# Altium PCB PCB1.PcbDoc (part 1 of 3) (continued)
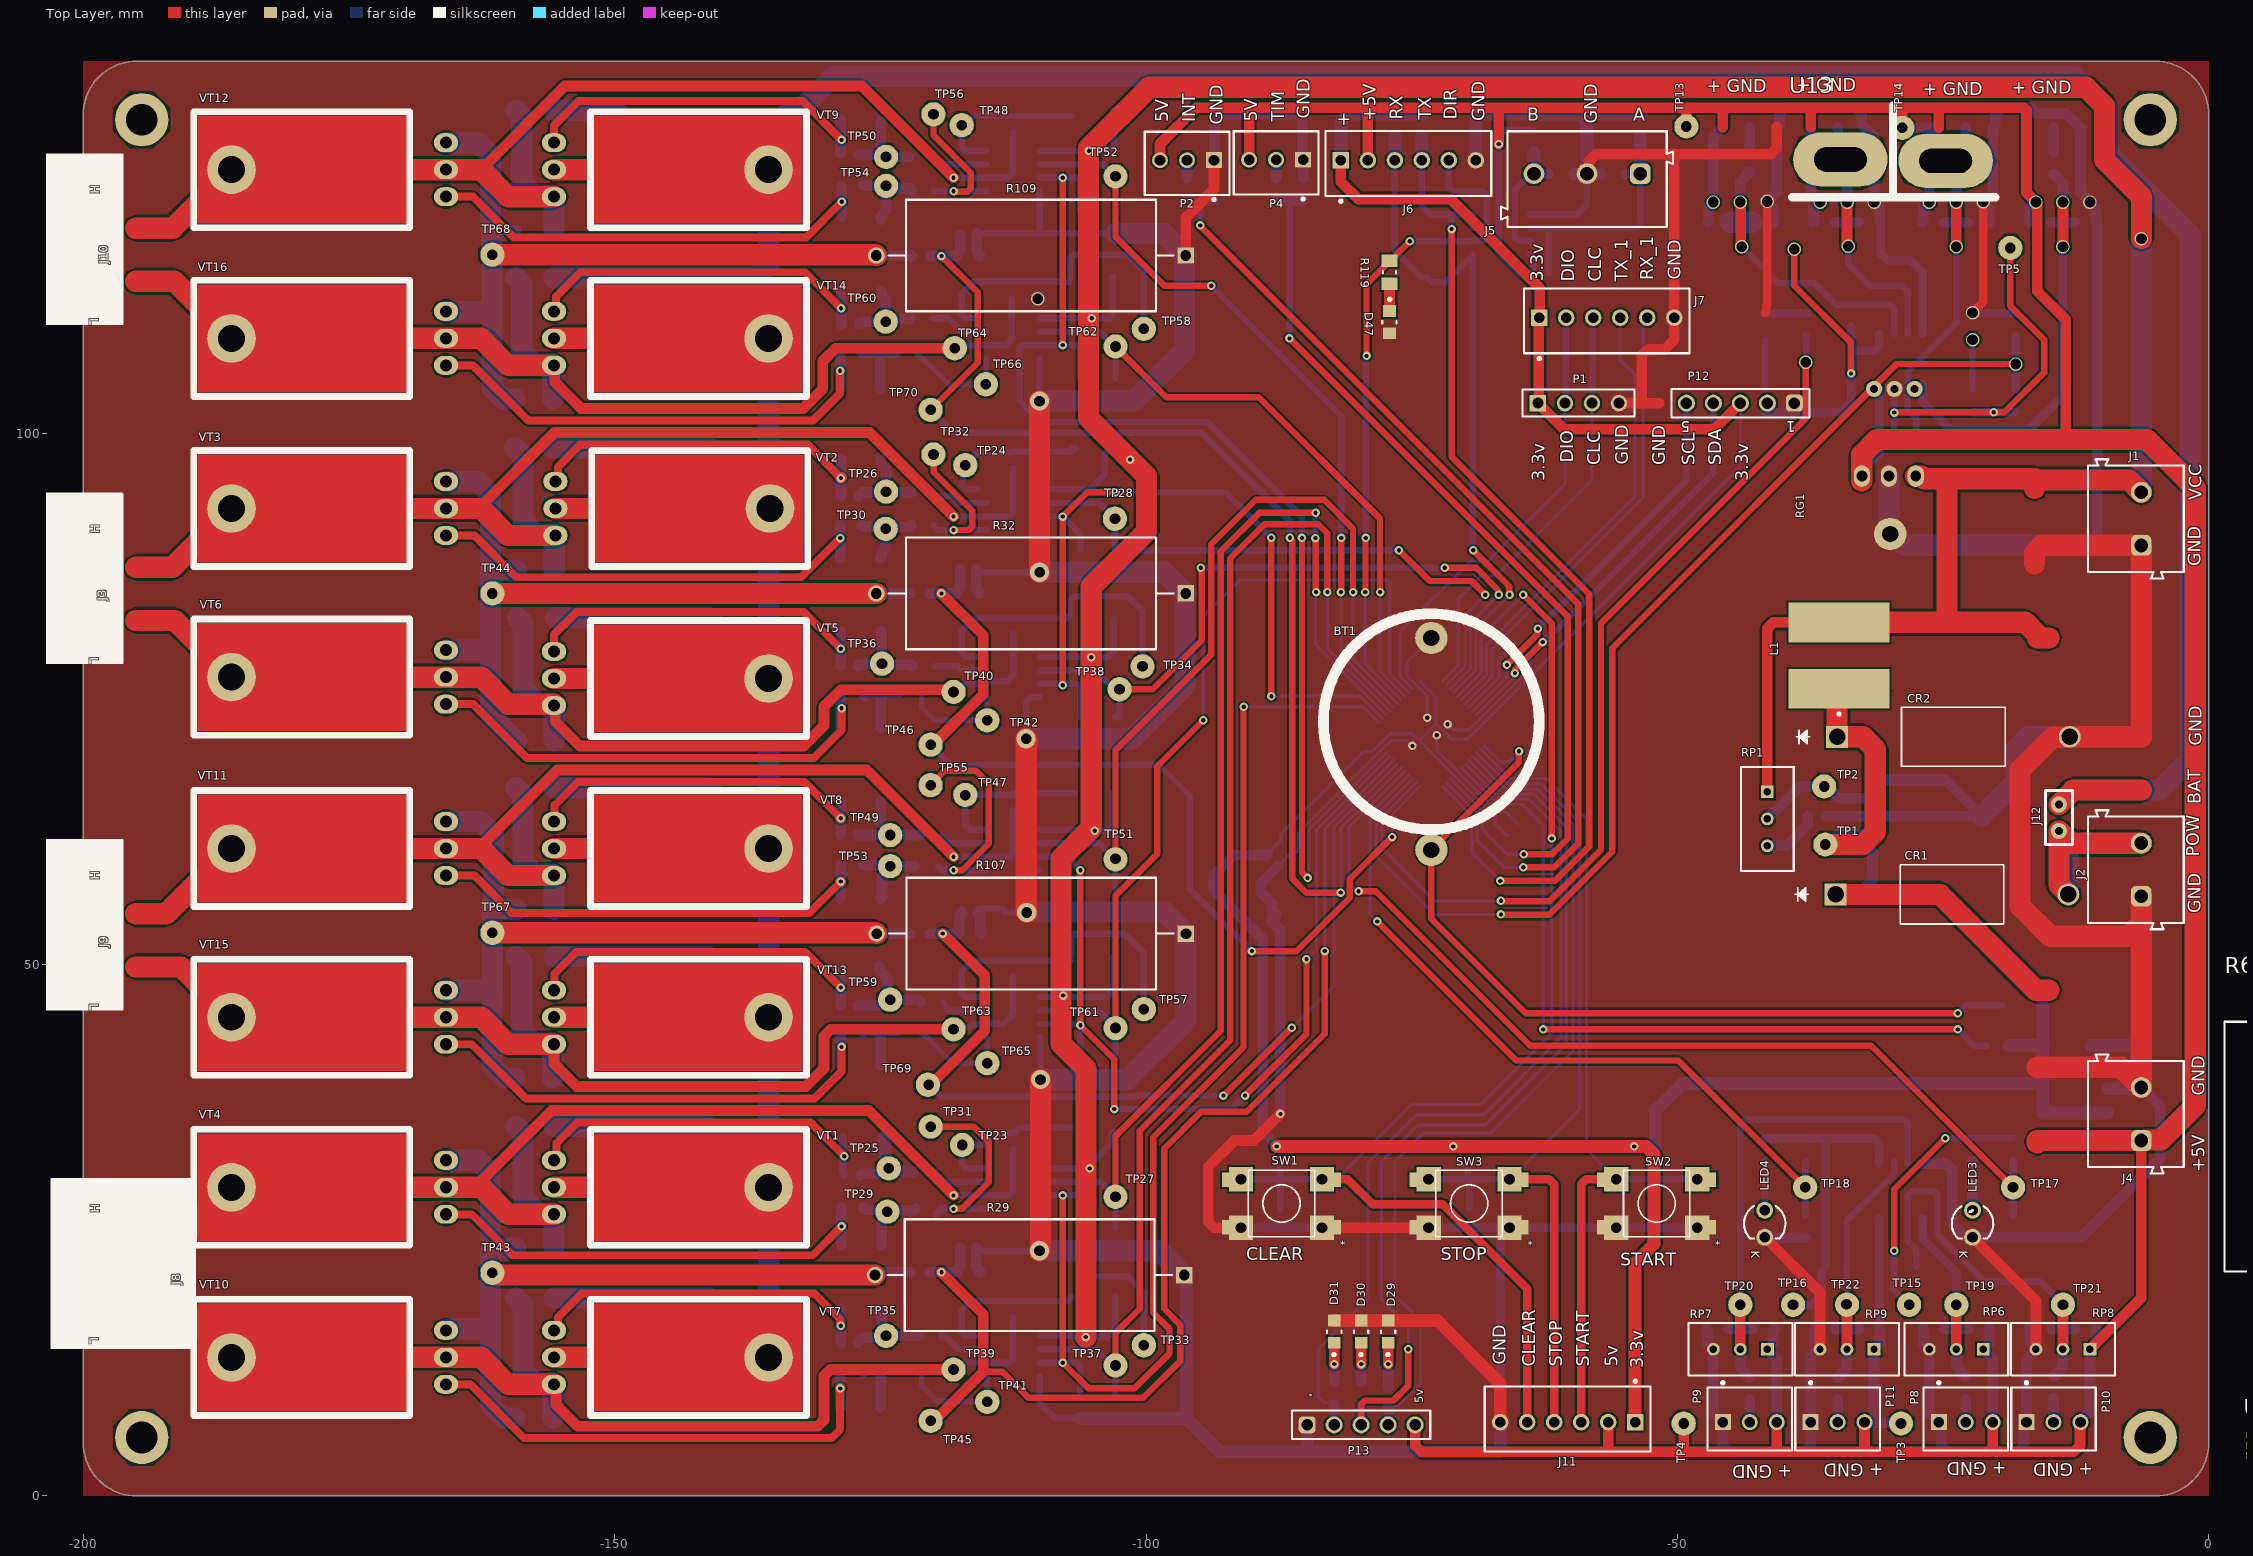
[diagram p0: Top Layer view]
## Components (designator, comment, footprint, x,y, rotation, side; value= is the part's Value field where it differs from the comment) (continued)
R11 "RT0805FRE0710RL" FP-RT0805-IPC_C -127.635,30.186 r180 bottom value=10Ω
R12 "10k" Vishay_CRCW0805-e3_IPC_A#1 -102.87,87.971 r90 bottom
R13 "CRCW080510K0FKEA" FP-CRCW0805-e3-IPC_A#1 -106.172,87.971 r90 bottom
R14 "RT0805FRE0710RL" FP-RT0805-MFG -120.904,30.44 r180 bottom value=10Ω
R15 "10" Vishay_CRCW0805-e3_IPC_A#1 -121.031,91.4 r0 bottom
R16 "10" Vishay_CRCW0805-e3_IPC_A#1 -127.762,91.4 r0 bottom
R17 "10k" Vishay_CRCW0805-e3_IPC_A#1 -102.87,24.09 r90 bottom
R18 "CRCW080510K0FKEA" FP-CRCW0805-e3-IPC_A#2 -106.172,24.09 r90 bottom
R19 "RT0805FRE0710RL" FP-RT0805-IPC_C -127.929,78.065 r180 bottom value=10Ω
R20 "33K" Vishay_CRCW0805-e3_IPC_A#1 -96.139,122.931 r90 bottom
R21 "RT0805FRE0710RL" FP-RT0805-MFG -120.904,78.065 r180 bottom value=10Ω
R22 "33K" Vishay_CRCW0805-e3_IPC_A#1 -93.599,122.931 r90 bottom
R23 "10k" Vishay_CRCW0805-e3_IPC_A#1 -102.87,72.223 r90 bottom
R24 "CRCW080510K0FKEA" FP-CRCW0805-e3-IPC_A#2 -106.172,72.223 r90 bottom
R25 "10" Vishay_CRCW0805-e3_IPC_A#1 -120.65,27.011 r0 bottom
R26 "10" Vishay_CRCW0805-e3_IPC_A#1 -122.174,75.652 r0 bottom
R27 "10" Vishay_CRCW0805-e3_IPC_A#1 -127.67,75.525 r0 bottom
R28 "10" FP-CRCW0805-e3-IPC_B -127.635,27.138 r0 bottom
R29 "SQP500JB-R91" FP-SQP500-MFG -110.948,20.788 r180 top value=1.2Ω
R30 "10K" Yageo_RC0805_IPC_C -121.285,21.042 r180 bottom
R31 "RT0805FRE0710RL" FP-RT0805-IPC_C -127.889,14.438 r180 bottom value=10Ω
R32 "SQP500JB-R91" FP-SQP500-MFG -110.821,84.923 r180 top value=1.2Ω
R33 "10K" Yageo_RC0805_IPC_C -121.285,84.923 r180 bottom
R34 "RT0805FRE0710RL" FP-RT0805-MFG -120.269,15.073 r180 bottom value=10Ω
R35 "1K" Yageo_RC0805_IPC_A -116.713,21.042 r180 bottom
R36 "1K" Yageo_RC0805_IPC_A -116.773,84.923 r180 bottom
R37 "10k" Vishay_CRCW0805-e3_IPC_A#1 -102.87,8.342 r90 bottom
R38 "33K" Vishay_CRCW0805-e3_IPC_A#1 -87.757,122.931 r90 bottom
R39 "10K" Vishay_CRCW0805-e3_IPC_A#1 -85.217,122.931 r90 bottom
R40 "CRCW080510K0FKEA" FP-CRCW0805-e3-IPC_A#2 -106.172,8.342 r90 bottom
R41 "RT0805FRE0710RL" FP-RT0805-IPC_C -127.929,62.19 r180 bottom value=10Ω
R42 "RT0805FRE0710RL" FP-RT0805-IPC_C -127.889,126.198 r180 bottom value=10Ω
R43 "RT0805FRE0710RL" FP-RT0805-MFG -120.269,62.19 r180 bottom value=10Ω
R44 "RT0805FRE0710RL" FP-RT0805-MFG -121.158,125.944 r180 bottom value=10Ω
R45 "10" Vishay_CRCW0805-e3_IPC_A#1 -122.174,11.898 r0 bottom
R46 "10k" Vishay_CRCW0805-e3_IPC_A#1 -102.87,55.967 r90 bottom
R47 "CRCW080510K0FKEA" FP-CRCW0805-e3-IPC_A#2 -106.172,55.967 r90 bottom
R48 "10" Vishay_CRCW0805-e3_IPC_A#1 -127.762,11.898 r0 bottom
R49 "10k" Vishay_CRCW0805-e3_IPC_A#1 -102.87,119.848 r90 bottom
R50 "CRCW080510K0FKEA" FP-CRCW0805-e3-IPC_A#2 -106.172,119.848 r90 bottom
R51 "10" Vishay_CRCW0805-e3_IPC_A#1 -120.65,59.269 r0 bottom
R52 "10" Vishay_CRCW0805-e3_IPC_A#1 -121.031,122.769 r0 bottom
R53 "47K" Vishay_CRCW0805-e3_IPC_A#1 -28.448,99.655 r180 bottom
R54 "10K" Vishay_CRCW0805-e3_IPC_A#1 -33.655,111.085 r270 bottom
R55 "2.2K" Vishay_CRCW0805-e3_IPC_A#1 -14.605,125.436 r270 bottom
R56 "2.2K" Vishay_CRCW0805-e3_IPC_A#1 -15.875,119.848 r180 bottom
R57 "220" Yageo_RC0805_IPC_A -34.925,125.436 r270 bottom
R58 "10" FP-CRCW0805-e3-IPC_B -36.195,119.848 r180 bottom
R59 "10" FP-CRCW0805-e3-IPC_B -127.67,59.396 r0 bottom
R60 "10" Vishay_CRCW0805-e3_IPC_A#1 -127.635,123.277 r0 bottom
R61 "10" FP-CRCW0805-e3-IPC_B -22.098,103.049 r270 bottom
R62 "10" FP-CRCW0805-e3-IPC_B -18.161,103.084 r270 bottom
R63 "SQP500JB-R91" FP-SQP500-MFG 159.657,32.868 r90 top value=1.2Ω
R64 "SQP500JB-R91" FP-SQP500-MFG 147.487,32.868 r90 top value=1.2Ω
R65 "RT0805FRE0710RL" FP-RT0805-IPC_C -127.929,46.188 r180 bottom value=10Ω
R66 "SQP500JB-R91" FP-SQP500-MFG 18.89,32.868 r90 top value=1.2Ω
R67 "SQP500JB-R91" FP-SQP500-MFG 6.72,32.868 r90 top value=1.2Ω
R68 "RT0805FRE0710RL" FP-RT0805-IPC_C -127.802,110.323 r180 bottom value=10Ω
R69 "10K" Yageo_RC0805_IPC_C 120.084,46.939 r90 top
R70 "10K" Yageo_RC0805_IPC_C 44.796,46.939 r90 top
R71 "10K" Yageo_RC0805_IPC_C 126.483,47.498 r0 top
R72 "10K" Yageo_RC0805_IPC_C 50.636,46.939 r90 top
R73 "10K" Yageo_RC0805_IPC_C 137.098,46.939 r90 top
R74 "10K" Yageo_RC0805_IPC_C 131.258,46.939 r90 top
R75 "RT0805FRE0710RL" FP-RT0805-MFG -120.142,46.442 r180 bottom value=10Ω
R76 "10K" Yageo_RC0805_IPC_C 62.318,46.939 r90 top
R77 "10K" Yageo_RC0805_IPC_C 56.477,46.939 r90 top
R78 "RT0805FRE0710RL" FP-RT0805-MFG -121.158,110.831 r180 bottom value=10Ω
R79 "10k" Vishay_CRCW0805-e3_IPC_A#2 -102.87,40.219 r90 bottom
R80 "CRCW080510K0FKEA" FP-CRCW0805-e3-IPC_A#2 -106.172,40.219 r90 bottom
R81 "10k" Vishay_CRCW0805-e3_IPC_A#1 -102.87,104.1 r90 bottom
R82 "CRCW080510K0FKEA" FP-CRCW0805-e3-IPC_A#2 -106.172,104.1 r90 bottom
R83 "100k" Vishay_CRCW0805-e3_IPC_A#1 -28.575,21.55 r180 bottom
R84 "100k" Vishay_CRCW0805-e3_IPC_A#1 -35.179,21.296 r180 bottom
R85 "47k" Vishay_CRCW0805-e3_IPC_A#1 -22.86,10.212 r90 bottom
R86 "47k" Vishay_CRCW0805-e3_IPC_A#1 -43.18,10.12 r90 bottom
R87 "47k" Vishay_CRCW0805-e3_IPC_A#1 -21.59,15.708 r0 bottom
R88 "47k" FP-CRCW0805-e3-IPC_A#2 -41.91,15.708 r0 bottom
R89 "220" Vishay_CRCW0805-e3_IPC_A#1 -22.225,32.599 r90 bottom
R90 "220" Vishay_CRCW0805-e3_IPC_A#1 -41.783,32.599 r90 bottom
R91 "10K" Vishay_CRCW0805-e3_IPC_A#1 -18.415,32.599 r90 bottom
R92 "10K" Vishay_CRCW0805-e3_IPC_A#1 -37.846,32.599 r90 bottom
R93 "47k" Vishay_CRCW0805-e3_IPC_A#1 -25.908,15.708 r0 bottom
R94 "47k" Vishay_CRCW0805-e3_IPC_A#1 -46.228,15.708 r0 bottom
R95 "2.2K" Vishay_CRCW0805-e3_IPC_A#1 -18.432,25.377 r90 bottom
R96 "2.2K" Vishay_CRCW0805-e3_IPC_A#1 -37.973,25.36 r90 bottom
R97 "47k" Vishay_CRCW0805-e3_IPC_A#1 -14.605,10.247 r90 bottom
R98 "CRCW080510K0FKEA" FP-CRCW0805-e3-IPC_A#2 -34.925,10.12 r90 bottom
R99 "47k" Vishay_CRCW0805-e3_IPC_A#1 -11.557,15.708 r0 bottom
R100 "47k" Vishay_CRCW0805-e3_IPC_A#1 -31.877,15.708 r0 bottom
R101 "47k" Vishay_CRCW0805-e3_IPC_A#1 -15.875,15.708 r180 bottom
R102 "47k" Vishay_CRCW0805-e3_IPC_A#1 -36.195,15.708 r180 bottom
R103 "10" Vishay_CRCW0805-e3_IPC_A#1 -122.301,43.775 r0 bottom
R104 "10" Vishay_CRCW0805-e3_IPC_A#1 -122.555,107.529 r0 bottom
R105 "10" Vishay_CRCW0805-e3_IPC_A#1 -127.67,43.648 r0 bottom
R106 "10" Vishay_CRCW0805-e3_IPC_A#1 -127.797,107.529 r0 bottom
R107 "SQP500JB-R91" FP-SQP500-MFG -110.794,52.919 r180 top value=1.2Ω
R108 "10K" Yageo_RC0805_IPC_C -121.285,52.919 r180 bottom
R109 "SQP500JB-R91" FP-SQP500-MFG -110.821,116.723 r180 top value=1.2Ω
R110 "10K" Yageo_RC0805_IPC_C -121.158,116.673 r180 bottom
R111 "1K" Yageo_RC0805_IPC_A -116.586,52.919 r180 bottom
R112 "1K" Yageo_RC0805_IPC_A -116.713,116.673 r180 bottom
R113 "220" Yageo_RC0805_IPC_C -77.216,9.345 r270 bottom
R114 "220" Yageo_RC0805_IPC_A -79.756,9.672 r270 bottom
R115 "220" Yageo_RC0805_IPC_A -82.296,9.672 r270 bottom
R116 "10K" FP-CRCW0805-e3-IPC_A#2 -87.376,31.802 r90 bottom
R117 "10K" FP-CRCW0805-e3-IPC_A#2 -52.07,31.837 r90 bottom
R118 "10K" FP-CRCW0805-e3-IPC_A#2 -69.596,31.837 r90 bottom
R119 "220" Yageo_RC0805_IPC_A -77.089,115.149 r90 top
R120 "10" FP-CRCW0805-e3-IPC_B 26.664,46.584 r90 top
RG1 "Reg_Fairchild_LM7805CT_eec" TO-220(bend_rad) -29.718,85.812 r180 top
RP1 "50k" Bourns_3296W_MFG -41.529,63.714 r180 top
RP6 "10k" Bourns_3296W_MFG -23.749,13.798 r90 top
RP7 "10k" Bourns_3296W_MFG -44.069,13.798 r90 top
RP8 "10k" Bourns_3296W_MFG -13.716,13.798 r90 top
RP9 "10k" Bourns_3296W_MFG -34.036,13.798 r90 top
SW1 "4-1437565-2" SW4_FSM-5P23_TEC -87.249,27.519 r180 top
SW2 "4-1437565-2" SW4_FSM-5P23_TEC -51.943,27.519 r180 top
SW3 "4-1437565-2" SW4_FSM-5P23_TEC -69.596,27.519 r180 top
TP1 "Test_Point_PCB" Test_Point#1 -36.068,61.301 r180 top
TP2 "Test_Point_PCB" Test_Point#1 -36.195,66.762 r180 top
TP3 "Test_Point_PCB" Test_Point#1 -28.956,6.818 r0 top
TP4 "Test_Point_PCB" Test_Point#1 -49.403,6.818 r0 top
TP5 "Test_Point_PCB" Test_Point#1 -18.669,117.435 r0 top
TP6 "Test_Point_PCB" Test_Point#1 508.062,47.168 r0 top
TP7 "Test_Point_PCB" Test_Point#1 502.221,47.168 r0 top
TP13 "Test_Point_PCB" Test_Point#1 -49.149,128.865 r90 top
TP14 "Test_Point_PCB" Test_Point#1 -28.829,128.738 r90 top
TP15 "Test_Point_PCB" Test_Point#1 -28.194,17.994 r90 top
TP16 "Test_Point_PCB" Test_Point#1 -39.116,17.994 r90 top
TP17 "Test_Point_PCB" Test_Point#1 -18.415,29.043 r180 top
TP18 "Test_Point_PCB" Test_Point#1 -37.973,29.043 r90 top
TP19 "Test_Point_PCB" Test_Point#1 -23.749,17.994 r90 top
TP20 "Test_Point_PCB" Test_Point#1 -44.069,17.994 r90 top
TP21 "Test_Point_PCB" Test_Point#1 -13.716,17.994 r90 top
TP22 "Test_Point_PCB" Test_Point#1 -34.036,17.994 r90 top
TP23 "Test_Point_PCB" Test_Point#1 -117.3,33.025 r0 top
TP24 "Test_Point_PCB" Test_Point#2 -117.348,97.115 r0 top
TP25 "Test_Point_PCB" Test_Point#1 -124.206,30.821 r90 top
TP26 "Test_Point_PCB" Test_Point#3 -124.46,94.448 r90 top
TP27 "Test_Point_PCB" Test_Point#1 -102.87,28.154 r90 top
TP28 "Test_Point_PCB" Test_Point#4 -103.793,91.991 r90 top
TP29 "Test_Point_PCB" Test_Point#1 -124.333,26.757 r90 top
TP30 "Test_Point_PCB" Test_Point#5 -124.418,91.291 r90 top
TP31 "Test_Point_PCB" Test_Point#1 -120.269,34.758 r90 top
TP32 "Test_Point_PCB" Test_Point#6 -120.269,98.385 r90 top
TP33 "Test_Point_PCB" Test_Point#1 -100.203,14.184 r0 top
TP34 "Test_Point_PCB" Test_Point#1 -100.33,78.065 r0 top
TP35 "Test_Point_PCB" Test_Point#1 -124.46,15.073 r90 top
TP36 "Test_Point_PCB" Test_Point#1 -124.841,78.319 r270 top
TP37 "Test_Point_PCB" Test_Point#1 -102.87,12.279 r90 top
TP38 "Test_Point_PCB" Test_Point#1 -102.489,75.906 r90 top
TP39 "Test_Point_PCB" Test_Point#1 -118.11,11.898 r90 top
TP40 "Test_Point_PCB" Test_Point#1 -118.11,75.652 r90 top
TP41 "Test_Point_PCB" Test_Point#1 -114.935,8.85 r90 top
TP42 "Test_Point_PCB" Test_Point#1 -114.935,72.985 r270 top
TP43 "Test_Point_PCB" Test_Point#7 -161.544,21.042 r90 top
TP44 "Test_Point_PCB" Test_Point#8 -161.544,84.923 r90 top
TP45 "Test_Point_PCB" Test_Point#1 -120.269,7.072 r90 top
TP46 "Test_Point_PCB" Test_Point#1 -120.269,70.699 r90 top
TP47 "Test_Point_PCB" Test_Point#1 -116.997,65.965 r90 top
TP48 "Test_Point_PCB" Test_Point#9 -117.348,128.992 r90 top
TP49 "Test_Point_PCB" Test_Point#1 -124.079,62.19 r180 top
TP50 "Test_Point_PCB" Test_Point#10 -124.46,126.325 r90 top
TP51 "Test_Point_PCB" Test_Point#1 -102.87,59.904 r90 top
TP52 "Test_Point_PCB" Test_Point#1 -102.87,124.166 r90 top
TP53 "Test_Point_PCB" Test_Point#1 -124.079,59.269 r90 top
TP54 "Test_Point_PCB" Test_Point#1 -124.46,123.277 r90 top
TP55 "Test_Point_PCB" Test_Point#1 -120.269,66.889 r90 top
TP56 "Test_Point_PCB" Test_Point#11 -120.269,130.008 r90 top
TP57 "Test_Point_PCB" Test_Point#1 -100.203,45.807 r90 top
TP58 "Test_Point_PCB" Test_Point#1 -100.203,109.815 r0 top
TP59 "Test_Point_PCB" Test_Point#1 -124.079,46.696 r90 top
TP60 "Test_Point_PCB" Test_Point#12 -124.587,110.831 r90 top
TP61 "Test_Point_PCB" Test_Point#1 -102.87,44.029 r90 top
TP62 "Test_Point_PCB" Test_Point#1 -102.87,108.164 r90 top
TP63 "Test_Point_PCB" Test_Point#1 -118.11,43.902 r90 top
TP64 "Test_Point_PCB" Test_Point#13 -118.364,107.656 r90 top
TP65 "Test_Point_PCB" Test_Point#1 -114.935,40.727 r0 top
TP66 "Test_Point_PCB" Test_Point#1 -115.062,104.608 r90 top
TP67 "Test_Point_PCB" Test_Point#14 -161.544,52.919 r90 top
TP68 "Test_Point_PCB" Test_Point#8 -161.544,116.8 r90 top
TP69 "Test_Point_PCB" Test_Point#1 -120.523,38.695 r90 top
TP70 "Test_Point_PCB" Test_Point#1 -120.269,102.195 r90 top
U1 "LM1117MPX-3.3/NOPB" DCY0004A_L -12.573,36.028 r180 bottom
U2 "LM2576" ON_Semiconductor_936A-02_MFG -25.156,63.968 r90 bottom
U3 "MAX485ECSA+" SOIC127P600X175-8N -66.548,118.705 r0 bottom
U4 "STM32F303CCT6" LQFP48-7x7mm -73.152,71.715 r135 bottom locked
U5 "IR2104SPBF" SOIC8_INF-M -112.522,28.916 r180 bottom
U6 "IR2104SPBF" SOIC8_INF-M -112.522,92.797 r180 bottom
U7 "IR2104SPBF" SOIC8_INF-M -112.522,77.049 r180 bottom
U8 "IR2104SPBF" SOIC8_INF-M -112.522,13.168 r180 bottom
U9 "IR2104SPBF" SOIC8_INF-M -112.522,60.793 r180 bottom
U10 "IR2104SPBF" SOIC8_INF-M -112.522,124.674 r180 bottom
U11 "IR2104SPBF" SOIC8_INF-M -112.522,45.045 r180 bottom
U12 "IR2104SPBF" SOIC8_INF-M -112.522,108.926 r180 bottom
U13 "ACS758" ACS758-100 -29.45,113.949 r0 top
U14 "MCP6001" SOT-23-5 29.802,5.61 r0 top
U15 "MCP6001" SOT-23-5 19.965,5.241 r0 top
U16 "MCP6001" SOT-23-5 5.2,4.762 r0 top
U17 "MCP6001" SOT-23-5 12.693,5.02 r0 top
VT1 "IRF3205" TO-220(bend2) -144.526,29.297 r270 top
VT2 "IRF3205" TO-220(bend2) -144.399,93.178 r270 top
VT3 "IRF3205" TO-220(bend2) -177.038,92.67 r90 top
VT4 "IRF3205" TO-220(bend2) -177.038,28.789 r90 top
VT5 "IRF3205" TO-220(bend2) -144.526,77.176 r270 top
VT6 "IRF3205" TO-220(bend2) -177.038,76.795 r90 top
VT7 "IRF3205" TO-220(bend2) -144.526,13.295 r270 top
VT8 "IRF3205" TO-220(bend2) -144.526,61.174 r270 top
VT9 "IRF3205" TO-220(bend2) -144.526,125.055 r270 top
VT10 "IRF3205" TO-220(bend2) -177.038,12.787 r90 top
VT11 "IRF3205" TO-220(bend2) -177.038,60.666 r90 top
VT12 "IRF3205" TO-220(bend2) -177.038,124.547 r90 top
VT13 "IRF3205" TO-220(bend2) -144.526,45.299 r270 top
VT14 "IRF3205" TO-220(bend2) -144.526,109.18 r270 top
VT15 "IRF3205" TO-220(bend2) -177.038,44.791 r90 top
VT16 "IRF3205" TO-220(bend2) -177.038,108.672 r90 top
Z1 "MM3Z5V1ST1G" SOD2512X110N -56.064,124.42 r180 bottom
Z2 "MM3Z5V1ST1G" SOD2512X110N -60.96,124.42 r0 bottom

## Footprints (in the part's own frame and the unit in brackets; to place one, negate y for a bottom-side part, rotate by r counter-clockwise, add the part's x,y. Pads: shape width x height; smd on the part's side, far side on the other; paste and mask are expansions set on the pad)
8-SOIC [mm] "SOIC, 8-Leads, Body 4,90x3,90mm, Pitch 1,27mm, IPC Medium Density"
  rrect50% 1.6x0.8 smd: 1(-2.6,2.025) 4(-2.6,-2.025) 5(2.6,-2.025) 8(2.6,2.025)
  rrect50% 1.6x0.6 smd: 2(-2.6,0.635) 3(-2.6,-0.635) 6(2.6,-0.635) 7(2.6,0.635)
  silkscreen extent -1.5,-2.5 1.5,2.5, body extent -3,-2.45 3,2.45, height 1.75
1000uF_10V_Size_F [mil]
  rect 60x60 smd: 1(95,-135) 2(-95,-135)
  Top Layer region: 60,-185 290,-185 290,-80 60,-80
  Top Layer region: -275,-185 -55,-185 -55,-80 -275,-80
  silkscreen extent -205,-330 225,75, body extent -220,-330 241,76, height 406
1500uF_100V [mil]
  round 250 hole 100: 1(-235,25) 2(160,25)
  silkscreen extent -600,-540 530,590, body extent -631,-569 554,616, height 1294
61300511121 [mm] "Pin Header, pitch 2.54 mm, THT, Vertical, single row, 5p"
  rrect50% 1.6x1.6 hole 1.1: 1(-5.08,0)
  round 1.6 hole 1.1: 2(-2.54,0) 3(0,0) 4(2.54,0) 5(5.08,0)
  silkscreen extent -6.5,-1.35 6.5,1.35, body extent -6.35,-1.27 6.35,1.27, height 8.57
61900311121 [mm] "2.54mm Male Locking Header, 3p"
  rect 1.5x1.5 hole 1: 1(2.54,0.3)
  round 1.5 hole 1: 2(0,0.3) 3(-2.54,0.3)
  silkscreen extent -3.98,-3.52 3.98,2.98, body extent -3.81,-2.9 3.81,2.9, height 11.53
691101710002 [mm] "5,00mm - modular - blue - Horizontal entry with pressure clamp - 12,6mm height - 02p"
  rrect50% 1.95x1.95 hole 1.3: 1(-2.5,-0.5)
  round 1.95 hole 1.3: 2(2.5,-0.5)
  silkscreen extent -5.6,-4.5 5.6,4.5, body extent -5.6,-4.5 5.6,4.5, height 12.65
691101710003 [mm] "5,00mm - modular - blue - Horizontal entry with pressure clamp - 12,6mm height - 03p"
  rrect50% 1.95x1.95 hole 1.3: 1(-5,-0.5)
  round 1.95 hole 1.3: 2(0,-0.5) 3(5,-0.5)
  silkscreen extent -8.1,-4.5 8.1,4.5, body extent -8.1,-4.5 8.1,4.5, height 12.65
ACS758-100 [mil]
  round 60 hole 30: 1(-80,-385) 2(-5,-385) 3(70,-385)
  oval 350x200 hole 90 slot 195 at 0 deg: 4(185,460) 5(-205,465)
  silkscreen extent -385,325 370,665, body extent -281,-404 271,492, height 280
Bourns_3296W_MFG [mm]
  rect 1.2x1.2 hole 0.7 paste-1000 mask+0: 1(0.005,-2.54)
  round 1.2 hole 0.7 paste-1000 mask+0: 2(0.005,0) 3(0.005,2.54)
  silkscreen extent -2.48,-4.89 2.48,4.89, body extent -2.58,-4.99 2.58,4.99, height 0.25
CAPPM7343X430N [mm]
  rect 2.35x2.45 smd: 1(-3.1,0) 2(3.1,0)
  silkscreen extent -4.27,-2.15 3.65,2.15, body extent -3.59,-2.35 3.6,2.35, height 4.12
Coil_drosel [mil]
  oval 190x250 hole 120: 1(-515,1130) 2(-285,1135)
  round 260 hole 140: GND(-400,215)
  Top Layer circle w300: c-400,215 r199.81
  Top Layer region: -655,975 -420,975 -420,1305 -655,1305
  Top Layer region: -380,975 -145,975 -145,1305 -380,1305
  Bottom Layer circle w300: c-400,215 r199.81
  Bottom Layer region: -655,975 -420,975 -420,1305 -655,1305
  Bottom Layer region: -380,975 -145,975 -145,1305 -380,1305
  silkscreen extent -1120,-510 320,1290, body extent -1148,-535 348,1175, height 826
CR2032_BAT [mil]
  round 120 hole 60: 1(-310,0) 2(475,0)
  silkscreen extent -400,-400 400,400, body extent -432,-435 525,439, height 350
DCY0004A_L [mm] "SOT223, 4-Leads, Body 6.7x3.7mm, Pitch 2.3mm, IPC High Density"
  rrect11% 1.45x0.9 smd: 1(-3.075,2.3) 2(-3.075,0) 3(-3.075,-2.3)
  rrect7% 1.45x3.15 smd: 4(3.075,0)
  silkscreen extent -3.2,-3.35 2.05,3.42, body extent -3.5,-3.25 3.5,3.25, height 1.62
DEGSON_DG25 [mil]
  oval 170x210 hole 85: 1(-210,-335) 2(90,-335)
  silkscreen extent -370,-600 255,-70, body extent -371,-600 255,-70, height 589
DO-201AD_STM [mil]
  rect 81x81 hole 61 mask+0: 1(0,0)
  round 81 hole 61 mask+0: 2(862,0)
  silkscreen extent -151,-110 623,110, body extent -26,-105 887,105, height 209
FP-6_560-5005_01-4-MFG [mm]
  rect 1.25x2 smd paste+0 mask+0: 1(-1.875,0) 2(1.875,0)
  silkscreen extent -3.33,-0.8 0.87,0.8, body extent -1.75,-0.8 1.75,0.8, height 1.6
FP-C0805C-DN-IPC_A [mm]
  rect 1.505x1.556 smd paste+0 mask+0: 1(-0.901,0) 2(0.901,0)
  silkscreen extent -1.65,-1.18 1.65,1.18, body extent -1,-0.63 1,0.63, height 0.88
FP-C0805C-DN-MFG [mm]
  rect 0.95x1.35 smd paste+0 mask+0: 1(-0.75,0) 2(0.75,0)
  silkscreen extent -1.1,-1.07 1.1,1.07, body extent -1,-0.62 1,0.62, height 0.88
FP-CRCW0805-e3-IPC_A#1 [mil]
  rect 47.5x59.38 on Bottom Solder paste+0 mask+0: 1(-41.37,0)
  rect 47.5x59.38 smd paste+0 mask+0: 2(41.37,0)
  silkscreen extent -3,-25 3,25, body extent -39,-25 39,25, height 20
FP-CRCW0805-e3-IPC_A#2 [mil]
  rect 47.5x59.38 smd paste+0 mask+0: 1(-41.37,0) 2(41.37,0)
  silkscreen extent -3,-25 3,25, body extent -39,-25 39,25, height 20
FP-CRCW0805-e3-IPC_B [mm]
  rect 1.007x1.408 smd paste+0 mask+0: 1(-0.951,0) 2(0.951,0)
  silkscreen extent -0.07,-0.63 0.07,0.63, body extent -1,-0.63 1,0.63, height 0.5
FP-GF1M-E3-5CA-MFG [mm]
  rect 1.7x1.68 smd paste+0 mask+0: 1(-1.79,0) 2(1.79,0)
  silkscreen extent -3.33,-1.45 2.37,1.45, body extent -2.67,-1.32 2.67,1.32, height 3
FP-GRM21B-0_1-IPC_C [mm]
  rect 0.958x1.262 smd paste+0 mask+0: 1(-0.727,0) 2(0.727,0)
  silkscreen extent -1.21,-1.07 1.21,1.07, body extent -1,-0.63 1,0.63, height 1.35
FP-RT0805-IPC_C [mm]
  rect 0.808x1.262 smd paste+0 mask+0: 1(-0.802,0) 2(0.802,0)
  silkscreen extent -1.21,-1.07 1.21,1.07, body extent -1,-0.63 1,0.63, height 0.6
FP-RT0805-MFG [mm]
  rect 0.9x1.2 smd paste+0 mask+0: 1(-1.05,0) 2(1.05,0)
  silkscreen extent -0.23,-0.67 0.23,0.67, body extent -1,-0.63 1,0.63, height 0.6
FP-SF-MFG [mm]
  rect 4x2 smd paste+0 mask+0: 1(-3.55,0) 2(3.55,0)
  silkscreen extent -6.27,-4.25 4.25,4.25, body extent -5.8,-4.5 5.8,4.5, height 0.25
FP-SMA-MFG [mm]
  rect 2.5x1.7 smd paste+0 mask+0: 1(-2,0) 2(2,0)
  silkscreen extent -3.92,-1.46 2.3,1.46, body extent -2.6,-1.3 2.6,1.3, height 2.4
FP-SOD323-MFG [mm]
  rect 0.6x0.6 smd paste-1000 mask+0: 1(-1.1,0) 2(1.1,0)
  silkscreen extent -2.12,-0.67 0.42,0.67, body extent -1.25,-0.62 1.25,0.62, height 1.1
FP-SQP500-MFG [mm]
  rect 1.55x1.55 hole 1 paste-1000 mask+0: 1(-14.555,0)
  round 1.55 hole 1 paste-1000 mask+0: 2(14.555,0)
  silkscreen extent -13.38,-5.25 13.38,5.25, body extent -15.43,-5.35 15.43,5.35, height 0.25
FP-TAJC-MFG [mm]
  rect 2x2.8 smd paste+0 mask+0: 1(-2.25,0) 2(2.25,0)
  silkscreen extent -0.87,-1.7 4.23,1.7, body extent -3,-1.6 3,1.6, height 2.8
Jumper_2.54 [mil]
  round 60 hole 30: 1(0,0) 2(98.43,0)
  silkscreen extent -50,-50 150,50
KLS8-M3 [mil]
  oval 150x140 hole 75: 1(-100,-140) 1(-100,140) 1(100,-140) 1(100,140)
  Top Layer region: -175,-210 175,-210 175,210 -175,210
  Bottom Layer region: -175,-210 175,-210 175,210 -175,210
  silkscreen extent -190,-225 190,225, body extent -157,-157 157,157, height 272
LED_BLUE [mm]
  rect 1.1x1.2 smd paste+0 mask+0: 1(-1.05,0) 2(1.05,0)
  silkscreen extent -2.27,-0.67 0.13,0.67, body extent -1,-0.63 1,0.63, height 0.8
LED_GREEN [mm]
  rect 1.1x1.2 smd paste+0 mask+0: 1(-1.05,0) 2(1.05,0)
  silkscreen extent -2.27,-0.67 0.13,0.67, body extent -1,-0.63 1,0.63, height 0.8
LED_Yellow [mm]
  rect 1.1x1.2 smd paste+0 mask+0: 1(-1.05,0) 2(1.05,0)
  silkscreen extent -2.27,-0.67 0.13,0.67, body extent -1,-0.63 1,0.63, height 0.8
LQFP48-7x7mm [mm]
  rect 1.194x0.305 smd paste+0 mask+0: 1(-4.25,2.75) 2(-4.25,2.25) 3(-4.25,1.75) 4(-4.25,1.25) 5(-4.25,0.75) 6(-4.25,0.25) 7(-4.25,-0.25) 8(-4.25,-0.75) 9(-4.25,-1.25) 10(-4.25,-1.75) 11(-4.25,-2.25) 12(-4.25,-2.75) 25(4.25,-2.75) 26(4.25,-2.25) 27(4.25,-1.75) 28(4.25,-1.25) 29(4.25,-0.75) 30(4.25,-0.25) 31(4.25,0.25) 32(4.25,0.75) 33(4.25,1.25) 34(4.25,1.75) 35(4.25,2.25) 36(4.25,2.75)
  rect 0.305x1.194 smd paste+0 mask+0: 13(-2.75,-4.25) 14(-2.25,-4.25) 15(-1.75,-4.25) 16(-1.25,-4.25) 17(-0.75,-4.25) 18(-0.25,-4.25) 19(0.25,-4.25) 20(0.75,-4.25) 21(1.25,-4.25) 22(1.75,-4.25) 23(2.25,-4.25) 24(2.75,-4.25) 37(2.75,4.25) 38(2.25,4.25) 39(1.75,4.25) 40(1.25,4.25) 41(0.75,4.25) 42(0.25,4.25) 43(-0.25,4.25) 44(-0.75,4.25) 45(-1.25,4.25) 46(-1.75,4.25) 47(-2.25,4.25) 48(-2.75,4.25)
  silkscreen extent -5.43,-5.35 5.35,5.35, body extent -4.5,-4.5 4.5,4.5, height 1.6
ON_Semiconductor_936A-02_MFG [mm]
  rect 1.016x3.05 smd paste+0 mask+0: 1(-3.404,-6.485) 2(-1.702,-6.485) 3(0,-6.485) 4(1.702,-6.485) 5(3.404,-6.485)
  rect 10.66x8.38 smd paste+0 mask+0: 6(0,3.82)
  silkscreen extent -5.12,-8.72 5.12,-0.75, body extent -5.01,-7.11 5.01,7.14, height 4.83
PCAP_18x355_PAN [mil]
  rect 60x60 hole 42 mask+0: 1(0,0)
  round 60 hole 42 mask+0: 2(296,0)
  silkscreen extent -266,-359 508,359, body extent -206,-354 503,354, height 1379
SMTC-TSW-104-08-X-S [mm] ".025 SQ Post Terminal Strip Assembly, 1x4 Pins, Vertical, 2.54mm Pitch, Male"
  rect 1.55x1.55 hole 1.02: 1(0,0)
  round 1.55 hole 1.02: 2(2.54,0) 3(5.08,0) 4(7.62,0)
  silkscreen extent -1.46,-1.27 9.08,1.27, body extent -1.27,-1.27 8.89,1.27, height 8.38
SOD2512X110N [mm]
  rect 1x0.5 smd: 1(-1.2,0) 2(1.2,0)
  silkscreen extent -1.7,-0.63 0.85,0.63, body extent -1.25,-0.63 1.25,0.63, height 1.1
SOIC8_INF-M [mm]
  rect 2.27x0.558 smd paste+0 mask+0: 1(-2.514,1.905) 2(-2.514,0.635) 3(-2.514,-0.635) 4(-2.514,-1.905) 5(2.514,-1.905) 6(2.514,-0.635) 7(2.514,0.635) 8(2.514,1.905)
  silkscreen extent -2.12,-2.63 2.12,2.63, body extent -3.1,-2.5 3.1,2.5, height 1.76
SOIC127P600X175-8N [mm]
  rect 1.525x0.65 smd: 1(-2.712,1.905) 2(-2.712,0.635) 3(-2.712,-0.635) 4(-2.712,-1.905) 5(2.712,-1.905) 6(2.712,-0.635) 7(2.712,0.635) 8(2.712,1.905)
  silkscreen extent -3.47,-2.45 1.6,2.58, body extent -3,-2.45 3,2.45, height 1.75
SOT-23-5 [mm]
  rect 0.9x0.65 smd: 1(-1.2,0.95) 2(-1.2,0) 3(-1.2,-0.95) 4(1.2,-0.95) 5(1.2,0.95)
  silkscreen extent -1.32,-1.55 0.35,1.95, body extent -1.4,-1.45 1.4,1.45, height 1.24
Sullins_SWR25X-NRTC-S06-ST-BA_MFG [mm]
  rect 1.55x1.55 hole 1 paste-1000 mask+0: 1(-6.35,0.3)
  round 1.55 hole 1 paste-1000 mask+0: 2(-3.81,0.3) 3(-1.27,0.3) 4(1.27,0.3) 5(3.81,0.3) 6(6.35,0.3)
  silkscreen extent -7.8,-3.67 7.8,3.05, body extent -7.9,-3.15 7.9,3.15, height 0.25
SW4_FSM-5P23_TEC [mil]
  rect 83x55 smd paste+0 mask+0: 1(-179,88) 2(179,88) 3(-179,-88) 4(179,-88)
  rect 90x90 hole 40: 1(-150,90) 2(150,90) 3(-150,-90) 4(150,-90)
  silkscreen extent -123,-123 123,123, body extent -152,-118 152,118, height 669
Test_Point#1 [mil]
  round 90 hole 30 unplated paste+4 mask+4: 1(0,0)
Test_Point#2 [mil]
  round 90 hole 30 unplated paste+4 mask+4: 1(13.7,-4.53)
Test_Point#3 [mil]
  round 90 hole 30 unplated paste+4 mask+4: 1(2.05,0)
Test_Point#4 [mil]
  round 90 hole 30 unplated paste+4 mask+4: 1(-1.38,-34.25)
Test_Point#5 [mil]
  round 90 hole 30 unplated paste+4 mask+4: 1(-11.46,3.23)
Test_Point#6 [mil]
  round 90 hole 30 unplated paste+4 mask+4: 1(-15.16,-10.59)
Test_Point#7 [mil]
  round 90 hole 39.37 unplated paste+4 mask+4: 1(-1.65,-1.73)
Test_Point#8 [mil]
  round 90 hole 39.37 unplated paste+4 mask+4: 1(0,-1.73)
Test_Point#9 [mil]
  round 90 hole 30 unplated paste+19.68 mask+4: 1(0,0)
Test_Point#10 [mil]
  round 90 hole 30 unplated paste+4 mask+4: 1(-12.8,0)
Test_Point#11 [mil]
  round 90 hole 27.56 unplated paste+4 mask+4: 1(-0.31,-10.59)
Test_Point#12 [mil]
  round 90 hole 30 unplated paste+4 mask+4: 1(-13.03,-3.43)
Test_Point#13 [mil]
  round 90 hole 30 unplated paste+4 mask+4: 1(13.54,-14.33)
Test_Point#14 [mil]
  round 90 hole 39.37 unplated paste+4 mask+4: 1(3.19,-1.73)
TO-220(bend2) [mil]
  round 180 hole 100: D(10,355)
  oval 70x90 hole 45: D(10,-440) G(-90,-440) S(110,-440)
  Top Layer region: -190,-300 210,-300 210,480 -190,480
  Bottom Layer region: -215,-310 240,-310 240,505 -215,505
  silkscreen extent -205,-305 225,495, body extent -185,-446 208,476, height 179
TO-220(bend_rad) [mil]
  oval 60x80 / inner oval 75x90 / far side oval 80x100 hole 40: 1(-85,-400) 2(15,-400) 3(115,-400)
  round 120 hole 60: 2(10,-185)
  body extent -285,-481 306,-50, height 994
"Type 3mm" [mm] "THT, LED-3mm, 2pin- Body 4.15mm(max)"
  round 1.6 hole 1: 1(1.27,0) 2(-1.27,0)
  silkscreen extent -1.66,-1.95 1.4,1.95, body extent -1.93,-1.94 1.87,1.94, height 10.5
Vishay_CRCW0805-e3_IPC_A#1 [mil]
  rect 47.5x59.38 smd paste+0 mask+0: 1(-41.37,0) 2(41.37,0)
  silkscreen extent -3,-25 3,25, body extent -39,-25 39,25, height 20
Vishay_CRCW0805-e3_IPC_A#2 [mil]
  rect 47.5x59.38 on Bottom Solder paste+0 mask+0: 1(-41.37,0)
  rect 47.5x59.38 smd paste+0 mask+0: 2(41.37,0)
  silkscreen extent -3,-25 3,25, body extent -39,-25 39,25, height 20
Vishay_CRCW0805-e3_IPC_C [mil]
  rect 31.75x51.5 smd paste+0 mask+0: 1(-33.5,0) 2(33.5,0)
  silkscreen extent -3,-25 3,25, body extent -39,-25 39,25, height 20
WE-PD2_1054 [mm] "SMD Power Inductor, 2-Leads, body 10x9mm"
  rect 3.75x9.5 smd: 1(-3.125,0) 2(3.125,0)
  silkscreen extent -5.62,-0.13 -5.38,0.12, body extent -5.04,-4.5 5.04,4.5, height 5.43
Wurth_Electronics_0_MFG [mm]
  rect 1.1x1.2 smd paste+0 mask+0: 1(-1.05,0) 2(1.05,0)
  silkscreen extent -2.27,-0.67 0.13,0.67, body extent -1.7,-0.77 1.7,0.77, height 0.25
Yageo_RC0805_IPC_A [mm]
  rect 1.157x1.508 smd paste+0 mask+0: 1(-1.076,0) 2(1.076,0)
  silkscreen extent -0.12,-0.63 0.12,0.63, body extent -1,-0.62 1,0.63, height 0.6
Yageo_RC0805_IPC_C [mm]
  rect 0.757x1.308 smd paste+0 mask+0: 1(-0.876,0) 2(0.876,0)
  silkscreen extent -0.12,-0.63 0.12,0.63, body extent -1,-0.62 1,0.63, height 0.6